# Altium PCB HCMS-39XX.PcbDoc
Units mil, origin at the board's own origin, x right, y up, seen from the top; angles counter-clockwise.
Board outline 3510.17 x 1161.7 mil, 2 copper layers (Top Layer, Bottom Layer); 54 components, 43 nets, 214 pads, 49 vias.
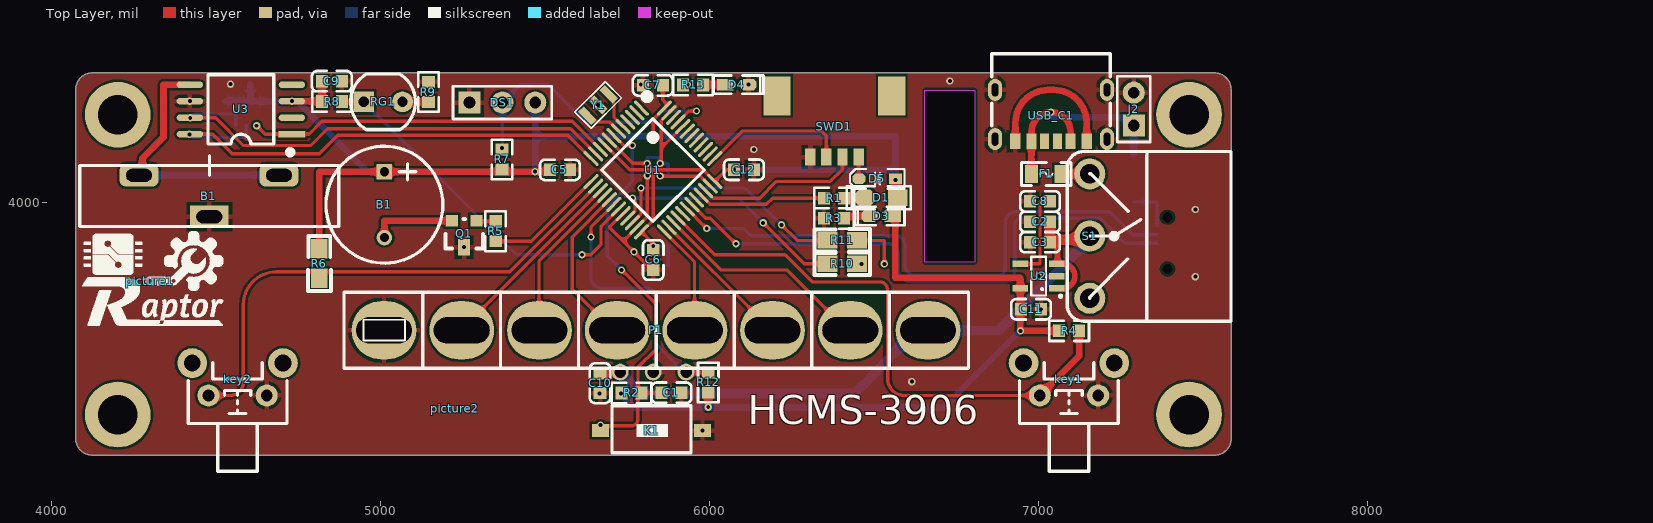
[diagram p0: Top Layer view]
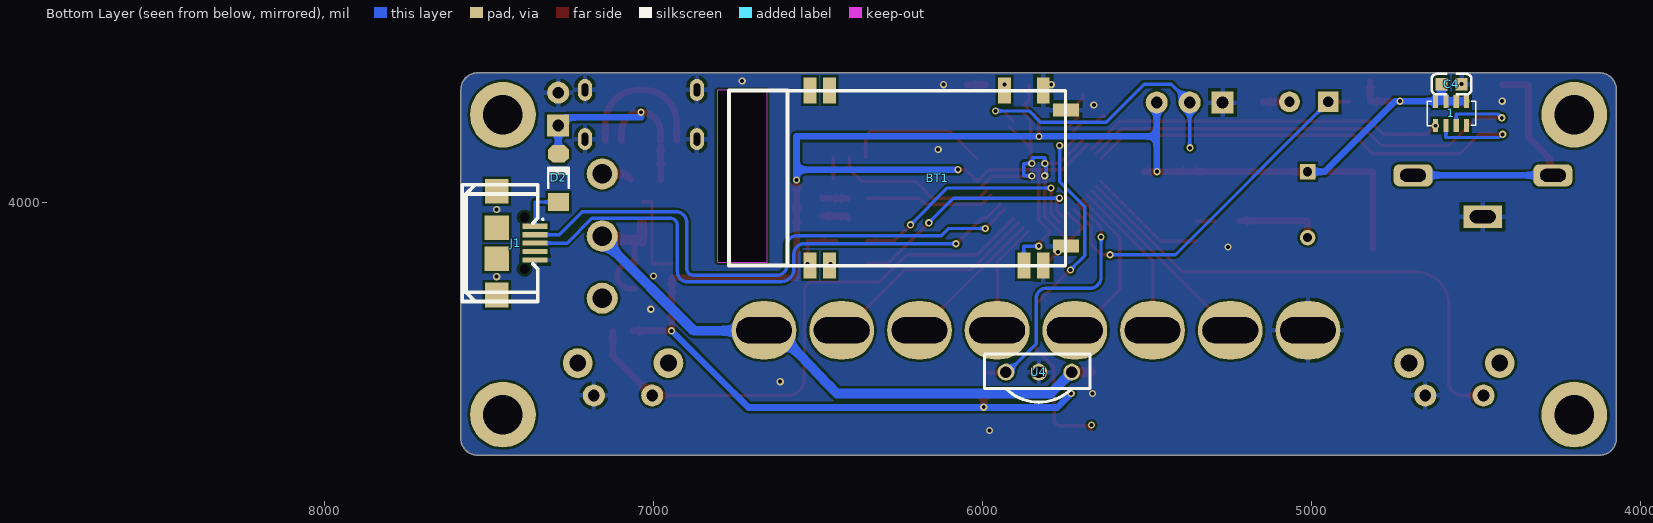
[diagram p1: Bottom Layer view, seen from below]

## Layer stack, top to bottom
Top Solder: solder mask 0.4, Solder Resist, Dk 3.5
Top Layer: signal copper 1.4
Dielectric 1: dielectric 12.6, FR-4, Dk 4.8
Bottom Layer: signal copper 1.4
Bottom Solder: solder mask 0.4, Solder Resist, Dk 3.5

## Board outline
4074.33,3283.5 ccw(c4124.33,3283.5) 4124.33,3233.5 7534.5,3233.5 ccw(c7534.5,3283.5) 7584.5,3283.5 7584.33,3283.5 7584.33,4345.2 ccw(c7534.33,4345.2) 7534.33,4395.2 4124.33,4395.2 ccw(c4124.33,4345.2) 4074.33,4345.2
cut-out: 6654.5,3820 6654.5,4342.43 6805.5,4342.43 6805.5,3820

## Design rules (kind name [scope] priority, off if disabled: settings)
Clearance [All] p1: gap=7 ignorepadtopadclearanceinfootprint=TRUE
PolygonConnect [All] p1: thpad.connectstyle=Relief thpad.reliefconductorwidth=15 thpad.reliefentries=4 thpad.polygonreliefangle="90 Angle" thpad.airgapwidth=10 smdpad.connectstyle=Relief smdpad.reliefconductorwidth=15 smdpad.reliefentries=4 smdpad.polygonreliefangle="90 Angle" smdpad.airgapwidth=10 via.connectstyle=Direct via.reliefconductorwidth=10 via.reliefentries=4 via.polygonreliefangle="90 Angle" via.airgapwidth=10
RoutingVias [All] p1: holewidth=12 width=22 viastyle="Through Hole" minholewidth=12 minwidth=22 maxholewidth=28 maxwidth=50
SolderMaskExpansion [All] p1: expansion=4 istentingtop=FALSE
UnRoutedNet [All] p1: checkbadconnections=TRUE
Width [All] p1: maxlimit=50 minlimit=10 preferedwidth=10 minimp=50.000000 maximp=50.000000 favimp=50.000000
29 further rules are at their usual default settings.

## Components (designator, comment, footprint, x,y, rotation, side; value= is the part's Value field where it differs from the comment)
1 "RES4" 0603RES 4579,4268 r0 bottom
B1 "BAT" Batary-Li 4470.26,4208.27 r270 top locked
B1 "BEEP" BELL-SMALL 5012,3994.5 r0 top locked
BT1 "SPP-C" CC2540/2541 6189.5,4079.5 r90 bottom locked
C1 "105" 0603C 5889,3422.5 r270 top value=104
C2 "Cap" 0603C 6999.5,3943.5 r90 top value=0.1uF
C3 "Cap" 0603C 6999.5,3881.5 r90 top value=22uF
C4 "Cap" 0603C 4570,4360 r270 bottom value=0.1uF
C5 "Cap" 0603C 5550,4099.5 r270 top value=0.1uF
C6 "Cap" 0603C 5828,3822 r180 top value=0.1uF
C7 "Cap" 0603C 5823,4358 r90 top value=22uF
C8 "Cap" 0603C 6999.5,4005.5 r90 top value=2.2uf
C9 "Cap" 0603C 4857,4369 r270 top value=104
C10 "104" 0603C 5666.5,3447.5 r180 top
C11 "" 0603C 6981.5,3676 r270 top value=0.1uF
C12 "104" 0603C 6109,4100 r270 top
D1 "LED" "LED 0805B" 6521.5,4016 r180 top
D2 "Diode 1N914" DO-213AA 7288,4076 r90 bottom
D3 "LED" "LED 0603R" 6521.5,3960.5 r180 top
D4 "LED0" "LED 0603B" 6083,4359 r0 top
D5 "Diode 1N4148" SOD-323 6509.5,4073 r180 top
DS1 "DS18B20" HDR-1X3 5270.5,4305 r0 top
F1 "FUSE" "FU 0805" 7023,4088 r180 top
J1 "USB_MICRO" Micro_USB 7476,3879 r0 bottom locked
J2 "CON2" HDR-1X2 7289,4235 r90 top
K1 "SW-PB" KEY_M 5829,3309.5 r90 top
key1 "KEY" "TSW DIP-6*6*7_V" 7092,3415 r0 top locked
key2 "KEY" "TSW DIP-6*6*7_V" 4566,3415 r0 top locked
P1 "Header 8" connect-8PB 5840.53,3607.2 r0 top locked
picture1 "图标" Raptor 4298.5,3762.5 r0 top
picture2 "图标" LCL_TS 5226.5,3375 r0 top
Q1 "PNP8550" "NPN8050 SOT23R" 5259,3903 r180 top
R1 "510R" 0603R 6379.5,4015.5 r90 top
R2 "10K" 0603R 5764,3423.5 r90 top
R3 "510R" 0603R 6379,3954 r90 top
R4 "1.8k" 0603R 7091.5,3610.5 r270 top
R5 "4.7k" 0603R 5351,3913 r0 top
R6 "1.8k" 0805R 4814.5,3860.81 r270 top
R7 "Res1" 0603R 5368.5,4133 r180 top value=1K
R8 "4.7k" 0603R 4852,4307 r270 top
R9 "10R" 0603R 5147,4336 r0 top
R10 "0R" 0805R 6358,3814.5 r0 top
R11 "0R" 0805R 6358,3886 r0 top
R12 "4.7k" 0603R 5995,3455.5 r180 top
R13 "" 0603R 5950.74,4359.5 r90 top value=1K
RG1 "10K" RG5528 5008,4307 r0 top
S1 "SW-DPDT" "SWitch - duplicate1" 7458,3904 r180 top
SWD1 "SWD" "MOLEX 537800470" 6379.5,4202 r0 top
U1 "STM32F103C8T6" "LQFP48 7X7_L" 5828,4100 r225 top locked
U2 "SPX3819" SOT23-5N 6999.5,3777.5 r90 top
U3 "SD3078" SOP8W_L 4576,4284 r180 top locked
U4 "红外接收HX1838" 红外HX1838 5828.5,3486 r180 bottom
USB_C1 "USB-C_6P" typec 6867.47,4193.8 r180 top
Y1 "XTAL-8M" XTAL_8M 5661.5,4297.5 r45 top

## Footprints (in the part's own frame and the unit in brackets; to place one, negate y for a bottom-side part, rotate by r counter-clockwise, add the part's x,y. Pads: shape width x height; smd on the part's side, far side on the other; paste and mask are expansions set on the pad)
0603C [mm]
  rect 0.98x0.93 smd: 1(-0.022,0.651) 2(-0.022,-0.889)
  silkscreen extent -0.81,-1.65 0.77,1.42, body extent -0.42,-0.92 0.38,0.68, height 0.3
0603R [mm]
  rect 0.98x0.93 smd: 1(-0.025,-0.744) 2(-0.025,0.796)
  silkscreen extent -0.82,-1.51 0.76,1.56, body extent -0.43,-0.82 0.37,0.88, height 0.56
0603RES [mm]
  rect 0.4x1 smd: 1(-1.272,-1.034) 2(-0.472,-1.034) 3(0.328,-1.034) 4(1.128,-1.034) 5(1.128,0.824) 6(0.328,0.824) 7(-0.472,0.824) 8(-1.272,0.824)
  silkscreen extent -1.98,-1.03 1.78,0.85, body extent -1.7,-0.9 1.5,0.7, height 0.59
0805R [mil]
  rect 60x50 smd: 1(0,0) 2(90,0)
  silkscreen extent -39,-34 129,35, body extent -1,-27 89,27, height 30
Batary-Li [mm]
  rrect50% 1.7x3 hole 1 slot 2 at 90 deg: 1(3.157,5.626) 1(3.157,-5.174)
  rect 1.7x3 hole 1 slot 2 at 90 deg: 2(6.357,0.247)
  silkscreen extent 1.65,-9.75 7.11,10.25, body extent 2.8,-9.86 6.61,10.16, height 21.01
BELL-SMALL [mm]
  rect 1.2x1.2 hole 0.7: 1(0.001,2.543)
  round 1.2 hole 0.7: 2(0.001,-2.537)
  silkscreen extent -4.51,-4.51 4.51,4.51, body extent -4.5,-4.47 4.5,4.53, height 4.5
CC2540/2541 [mm]
  rect 2x1 smd: 1(-6.858,8.496) 2(-6.858,6.996) 12(-6.858,-8.004) 13(-6.858,-9.504) 22(6.642,-9.504) 24(6.642,-6.504) 33(6.642,6.996) 34(6.642,8.496)
  rect 1x2 smd: 14(-5.358,-11.254) 21(5.142,-11.254)
  silkscreen extent -6.86,-11.23 6.64,14.75, body extent -6.6,-11.3 6.4,15.7, height 4.31
connect-8PB [mm]
  oval 5x4.5 hole 2 slot 4.3 at 0 deg: 1(-21.072,0.147) 2(-15.075,0.147) 3(-9.077,0.147) 4(-3.08,0.147) 5(2.917,0.147) 6(8.915,0.147) 7(14.912,0.147) 8(20.909,0.147)
  silkscreen extent -24.16,-2.78 24.04,3.09, body extent -44.91,-5.37 44.31,8.19, height 30.18
DO-213AA [mm] "1.5*3.5mm(直径，脚距）"
  rect 1.37x1.62 smd: 1(-1.855,0)
  oct 1.37x1.62 smd: 2(1.855,0)
  silkscreen extent -0.76,-0.8 0.78,0.8, body extent -1.75,-0.75 1.75,0.75, height 1.53
"FU 0805" [mil] "贴片保险丝"
  rect 40x55 smd: 1(-45,0) 2(45,0)
  silkscreen extent -75,-35 75,35, body extent -39,-24 39,24, height 20
HDR-1X2 [mm] "排针，2脚"
  rect 1.7x1.7 hole 0.9: 1(0,0)
  round 1.7 hole 0.9: 2(2.54,0)
  silkscreen extent -1.27,-1.27 3.81,1.27, body extent -1.27,-1.27 3.81,1.27, height 8.5
HDR-1X3 [mm] "排针，3脚"
  rect 1.7x1.7 hole 0.9: 1(0,0)
  round 1.7 hole 0.9: 2(2.54,0) 3(5.08,0)
  silkscreen extent -1.27,-1.27 6.35,1.27, body extent -1.27,-1.27 6.35,1.27, height 8.5
KEY_M [mm]
  rect 1x1.3 smd: 1(-0.029,-3.801) 2(-0.029,4.073)
  silkscreen extent -1.74,-2.92 1.88,3.18, body extent -1.75,-5.05 1.75,5.15, height 4.3
LCL_TS [mil]
"LED 0603B" [mil] "蓝色0603LED"
  rect 50x35 smd: 1(-35,0.26)
  oct 50x35 smd: 2(35,0.26)
  silkscreen extent -71,-28 81,28, body extent -31,-16 32,16, height 24
"LED 0603R" [mil] "红色0603LED"
  rect 50x35 smd: 1(-35,0.26)
  oct 50x35 smd: 2(35,0.26)
  silkscreen extent -71,-28 81,28, body extent -31,-16 32,16, height 24
"LED 0805B" [mil] "蓝色0805LED"
  rect 60x50 smd: 1(-50,0)
  oct 60x50 smd: 2(50,0)
  silkscreen extent -90,-35 105,35, body extent -39,-25 39,25, height 32
"LQFP48 7X7_L" [mm] "48脚，体宽7x7mm，脚距0.5mm"
  oval 0.25x1.55 smd: 1(-2.75,-4) 2(-2.25,-4) 3(-1.75,-4) 4(-1.25,-4) 5(-0.75,-4) 6(-0.25,-4) 7(0.25,-4) 8(0.75,-4) 9(1.25,-4) 10(1.75,-4) 11(2.25,-4) 12(2.75,-4) 25(2.75,4) 26(2.25,4) 27(1.75,4) 28(1.25,4) 29(0.75,4) 30(0.25,4) 31(-0.25,4) 32(-0.75,4) 33(-1.25,4) 34(-1.75,4) 35(-2.25,4) 36(-2.75,4)
  oval 1.55x0.25 smd: 13(4,-2.75) 14(4,-2.25) 15(4,-1.75) 16(4,-1.25) 17(4,-0.75) 18(4,-0.25) 19(4,0.25) 20(4,0.75) 21(4,1.25) 22(4,1.75) 23(4,2.25) 24(4,2.75) 37(-4,2.75) 38(-4,2.25) 39(-4,1.75) 40(-4,1.25) 41(-4,0.75) 42(-4,0.25) 43(-4,-0.25) 44(-4,-0.75) 45(-4,-1.25) 46(-4,-1.75) 47(-4,-2.25) 48(-4,-2.75)
  silkscreen extent -3.93,-4.57 2.79,2.79, body extent -4.5,-4.5 4.5,4.5, height 1.45
Micro_USB [mm]
  rect 1.905x0.4 smd mask+0.001: 1(-2.953,-1.27) 2(-2.953,-0.62) 3(-2.953,0.03) 4(-2.953,0.68) 5(-2.953,1.33)
  rect 1.8x1.9 smd: 6(0,-3.97) 9(0,4.03)
  rect 1.9x1.9 smd: 7(0,-1.17) 8(0,1.23)
  round 0 hole 0.8 unplated mask+0.001: MH1(-2.15,2.03) MH2(-2.15,-1.97)
  silkscreen extent -3.57,-4.48 2.66,4.54, body extent -3.31,-4.07 2.62,4.13, height 2.77
"MOLEX 537800470" [mm]
  rect 2.1x3 smd: 0(-4.425,3.13) 0(4.425,3.13)
  rect 0.8x1.3 smd: 1(-1.875,-1.6) 2(-0.625,-1.6) 3(0.625,-1.6) 4(1.875,-1.6)
  body extent -5.07,-1.93 5.08,4.57, height 1.89
"NPN8050 SOT23R" [mil]
  rect 36x36 smd: 1(-33.09,-42.84) 2(41.91,-42.84)
  rect 36x50 smd: 3(4.91,37.16)
  silkscreen extent -53,-48 62,42, body extent -55,-53 63,45, height 42
Raptor [mil]
  silkscreen extent -204,-135 224,152
RG5528 [mm] "光敏电阻 脚距：3mm"
  rect 1.6x1.6 hole 0.8: 1(-1.5,0)
  round 1.6 hole 0.8: 2(1.5,0)
  silkscreen extent -2.5,-2.16 2.5,2.16, body extent -2.5,-2.15 2.5,2.15, height 1.9
SOD-323 [mm] "1.8x1.3X0.9mm（长宽高，不包括引脚）"
  rect 1x0.8 smd: 1(-1.4,0)
  oct 1x0.8 smd: 2(1.4,0)
  silkscreen extent -2.11,-0.76 2.11,0.76, body extent -1.34,-0.63 1.31,0.67, height 1
SOP8W_L [mil] "5.3*8.3*1.8mm（长宽高）"
  rect 80x19.68 smd: 1(-155,75)
  oval 80x19.68 smd: 2(-155,25) 3(-155,-25) 4(-155,-75) 5(155,-75) 6(155,-25) 7(155,25) 8(155,75)
  silkscreen extent -156,-105 100,136, body extent -155,-104 155,104, height 75
SOT23-5N [mm] "3x1.6x1.1mm(长宽高)"
  rect 0.5x1.2 smd: 1(-0.95,-1.4) 2(0,-1.4) 3(0.95,-1.4) 4(0.95,1.4) 5(-0.95,1.4)
  silkscreen extent -1.63,-1.78 1.5,0.56, body extent -1.5,-1.4 1.5,1.4, height 1.15
"SWitch - duplicate1" [mm]
  round 2.4 hole 1.5: 1(7.691,-4.682) 2(7.691,0.118) 3(7.691,4.918)
  silkscreen extent -3.21,-6.41 9.44,6.69, body extent -7.97,-6.59 8.27,6.82, height 2.73
"TSW DIP-6*6*7_V" [mm] "侧按轻触开关 6*6*7mm"
  round 2.3 hole 1.3: 0(-3.5,2.5) 0(3.5,2.5)
  round 1.7 hole 0.9: 1(-2.25,0) 2(2.25,0)
  silkscreen extent -3.81,-5.84 3.81,2.54, body extent -4.18,-5.72 4.18,4.13, height 7.47
typec [mm]
  oval 1.1x1.7 hole 0.5 slot 1 at 90 deg: 0(-8.64,-3.8) 0(-8.64,0) 0(0,0) 0(0,-3.8)
  rect 0.8x1.2 smd: 1(-7.07,0.16) 6(-1.57,0.16)
  rect 0.76x1.2 smd: 2(-5.83,0.16) 5(-2.81,0.16)
  rect 0.7x1.2 smd: 3(-4.82,0.16) 4(-3.82,0.16)
  silkscreen extent -8.89,-6.59 0.25,-1.01, body extent -8.79,-6.4 0.15,0.4, height 3.22
XTAL_8M [mm]
  rect 0.6x1.45 smd: 1(-1.168,0) 2(1.168,0) 3(0,0)
  silkscreen extent -1.65,-0.89 1.65,0.89, body extent -1.61,-0.76 1.59,0.76, height 0.7
红外HX1838 [mm]
  round 1.3 hole 0.889: 1(-2.54,0) 2(0,0) 3(2.54,0)
  silkscreen extent -4.19,-2.32 3.94,1.4, body extent -3.64,-3.54 3.61,1.26, height 8.88

## Part data
BT1: "sppc"
C1 C12: library part Cap, "Capacitor", LatestRevisionDate=17-Jul-2002, LatestRevisionNote="Re-released for DXP Platform.", Published=8-Jun-2000, Publisher="Altium Limited"
C2 C3 C4 C5 C6 C7: "Capacitor", LatestRevisionDate=17-Jul-2002, LatestRevisionNote="Re-released for DXP Platform.", PackageReference=RAD-0.3, Published=8-Jun-2000, Publisher="Altium Limited"
C8 C9: "Polarized Capacitor (Radial)", Published=8-Jun-2000, Publisher="Altium Limited", Revision="July-2002: Re-released for DXP Platform."
C10: library part 0603C
C11: library part C
D2 D5: "High Conductance Fast Diode", Code_JEDEC=DO-204-AH, ComponentLink1Description="Manufacturer Link", ComponentLink1URL=http://www.fairchildsemi.com/, ComponentLink2Description=Datasheet, DatasheetVersion=1997, LatestRevisionDate=17-Jul-2002, LatestRevisionNote="Re-released for DXP Platform.", PackageDescription="Diode, Axial; Body 3.8 x 1.9 mm (LxDia. max), Lead Dia. 0.53 mm (max)", PackageReference=DO-35, Published=8-Jun-2000, Publisher="Altium Limited"
  D2: ComponentLink2URL=http://www.fairchildsemi.com/ds/1N%2F1N4448.pdf
  D5: ComponentLink2URL=http://www.fairchildsemi.com/ds/1N%2F1N4148.pdf
D4: "Typical INFRARED GaAs LED", LatestRevisionDate=08-Jul-2005, LatestRevisionNote="Mech Layer 1 removed.", PackageReference=LED-0, Published=8-Jun-2000, Publisher="Altium Limited"
DS1: "温度传感器"
J2: "Connector"
P1: "Header, 8-Pin", LatestRevisionDate=17-Jul-2002, LatestRevisionNote="Re-released for DXP Platform.", Publisher="Altium Limited"
picture1 picture2: library part SP
R1 R2 R3 R10 R11: library part Res2, "Resistor", LatestRevisionDate=17-Jul-2002, LatestRevisionNote="Re-released for DXP Platform.", Published=8-Jun-2000, Publisher="Altium Limited"
R4 R5 R6 R8 R9 R12: library part 0603r
R7: "贴片电阻", LatestRevisionDate=17-Jul-2002, LatestRevisionNote="Re-released for DXP Platform.", PackageReference=AXIAL-0.4, Published=8-Jun-2000, Publisher="Altium Limited"
R13: library part R_1
RG1: library part RG5528, "光敏电阻", BOM名称=光敏电阻, 学习资源=www.ooocke.com, 版权归属=源创客
S1: "Double-Pole, Double-Throw Switch", LatestRevisionDate=17-Jul-2002, LatestRevisionNote="Re-released for DXP Platform.", PackageDescription="Switch; 6 Leads", PackageReference=DPDT-6, Published=24-Mar-1999, Publisher="Altium Limited"
U1: "STM32 ARM-based 32-bit MCU with 64 Kbytes Flash, 48-pin LQFP, Industrial Temperature"
U2: library part RT9193-33, "3.3V超低压差LDO"
USB_C1: "贴片Type_C接口"

## Free pads (board coordinates)
  round 200 hole 120: 2(4202,3357) 2(4202,4268) 2(7457,3357) 2(7457,4268)

## Via types
v1: diameter 22, hole 12, Top Layer to Bottom Layer, tented both sides, 49 vias

## Nets (pads, with @x,y where several pads share a name; then routed paths per layer and width w, separated by ;. In a path a pad name is that pad's centre, name@x,y a point inside that pad or via, vN(x,y) a via of type N, cw(c..) or ccw(c..) an arc to the next point about the centre after c; other vN are vias at no path point)
3.3V: 1.1 1.2 1.3 1.4 B1.1@5012.03,4094.61 BT1.12 C4.2 C5.2 C6.2 C7.2 C9.2 C11.2 C12.2 D1.1 D3.1 D5.1 DS1.3 R2.2 R4.1 R6.1 R7.2 R8.1 R12.2 U1.9 U1.24 U1.36 U1.48 U2.5 U3.3 | length 6982.2
  Top Layer w10: U1.9 5757.54,4100.87 5828.87,4100.87 ; v1(5828.87,3868.56) 5828.87,3876.45 U1.24 5828.87,3947.75 5828.87,4100.87 ; v1@5828.87,4202 5828.87,4253.98 U1.48@5844.75,4269.86 ; C7.2 5858,4312.69 5872.73,4297.96 5872.73,4297.85 U1.48 ; v1(6074,4100.87) 6051.55,4100.87 U1.36 5980.25,4100.87 5828.87,4100.87
  Top Layer w20: v1(4731,4309) 4821.69,4309 4822,4308.69 C9.2 ; R6.1 4814.5,3897.08 4814.5,4094.61 5012.03,4094.61 5509.24,4094.61 5509.63,4095 v1(5469.5,4095) ; v1(5996,3379.5) R12.2 ; D5.1 6564.62,3772.5 6944.38,3772.5 U2.5 v1(6944.38,3611.5) R4.1
  Bottom Layer w10: v1(5469.5,4095) 5469.5,4100.5 v1@5470.5,4101.5 ; v1(5828.87,3868.56) 5874.37,3868.56 BT1.12
  Bottom Layer w20: 1.1 4529.22,4309 4601,4309 ; C4.2 4605,4313 4601,4309 ; B1.1@5012.03,4094.61 4960.57,4094.61 4746.18,4309 v1(4731,4309) 4601,4309 ; v1@5469.5,4100.5 5469.5,4101.04 5470.5,4102.04 5470.5,4202 ; DS1.3 5470.5,4202 ; v1(5730.5,3421) 5773,3378.5 6710.88,3378.5 6805.5,3473.12 6944.13,3611.75 v1@6944.38,3612 ; v1(6074,4100.87) 6565,4100.87 ; v1(6565,4069.5) 6565,4100.87 ; 5470.5,4202 v1(5828,4202) 6565,4202 6565,4100.87
8M: U1.5 Y1.2 | length 115.8
  Top Layer w10: Y1.2 5694.03,4320.39 5709.7,4304.73 5709.7,4260.06 U1.5
BEEP: R5.1 U1.13 | length 365.3
  Top Layer w10: R5.1 5458.58,3883.69 U1.13
DS18B20: DS1.2 R7.1 U1.45 | length 881.3
  Top Layer w10: U1.45 5937.9,4279.5 v1(5960,4279.5)
  Bottom Layer w10: v1@5370.5,4167.5 DS1.2 5426.37,4360.87 5508.6,4360.87 5623.97,4245.5 5824.5,4245.5 5858.5,4279.5 v1(5960,4279.5)
  other v1: 5369.5,4167.5
DS_SCL: 1.5 U1.10 U3.1 | length 1106
  Top Layer w10: v1(4624,4234.5) 4649.5,4209 U3.1 4783,4209 4822,4248 5582.56,4248 U1.10
DS_SDA: 1.6 U1.12 U3.8 | length 1509.2
  Top Layer w10: U3.8 4490,4209 4549.5,4149.5 4814,4149.5 4870,4205.5 5569.39,4205.5 U1.12
  Bottom Layer w10: v1(4419.5,4208.5) 4429,4199 4591.93,4199 1.6
GND: B1.2@4480,3958 BT1.13 BT1.14 BT1.21 BT1.22 C1.1 C2.1 C3.1 C4.1 C5.1 C6.1 C7.1 C8.1 C9.1 C10.1 C11.1 C12.1 D4.2 DS1.1 J1.5 J2.2 K1.1 key1.2 key2.2 P1.1 Q1.3 R3.2 R9.2 SWD1.1 U1.8 U1.20 U1.23 U1.35 U1.44 U1.47 U2.2 U3.6 U4.2 USB_C1.0 USB_C1.1 USB_C1.6 Y1.3 | length 1686.2
  Top Layer w10: U1.8 5766.13,4120.11 v1@5810.87,4120.11 ; U1.20 5695.78,3926.02 5737.53,3884.26 ; v1(5810.87,4082.5) 5810.87,3957.59 U1.23 5737.53,3884.26 ; C6.1 5815.56,3809.68 5812.12,3809.68 5737.53,3884.26 ; v1@5850,4081.21 5972.06,4081.21 U1.35 ; v1(5850,4120) 5853.13,4123.13 5853.13,4166.89 ; U1.47 5853.13,4250.41 5853.13,4166.89 ; U1.44 5853.13,4166.89
  Top Layer w20: USB_C1.6 6929.28,4243.4 cw(c7029.28,4243.4) 7029.28,4343.4 7045.82,4343.4 cw(c7045.82,4243.4) 7145.82,4243.4 USB_C1.1
  Bottom Layer w10: v1(5810.87,4082.5) 5808.99,4082.5 5805.87,4085.63 5805.87,4114.87 v1(5810.5,4119.5) 5810.5,4138 5847.7,4138 5847.7,4122.3 v1(5850,4120) 5874.37,4120 5874.37,4082.5 5850.5,4082.5 v1(5850,4082)
  other v1: 5978.63,3308.35 5666,3421 6614.5,3457 7007.5,3677 7476,3775.89 6999.5,3778 5770.29,3851.5 5254.09,3865.84 7476,3979.75 6134.63,4162.63 5661.5,4297.5 4421,4309 5791,4359.26 6118,4359.26 4544.37,4360.87 6730,4370.08
HCMS_BLK: P1.6 U1.26 | length 427.6
  Top Layer w10: U1.26 6151.73,3651 P1.6@6190.34,3651
HCMS_CE: P1.7 U1.27 | length 655.5
  Top Layer w10: U1.27 6034.19,3796.37 6235.13,3796.37 6380.5,3651 P1.7@6426.46,3651
HCMS_CEC: P1.2 U1.15 | length 582.1
  Top Layer w10: P1.2@5245.89,3651 5281.56,3651 U1.15
HCMS_CLK: P1.5 U1.25 | length 337
  Top Layer w10: U1.25 5954.23,3820.66 P1.5@5954.23,3613
HCMS_DIN: P1.3 U1.16 | length 493.2
  Top Layer w10: P1.3@5482,3613 5482,3823.6 U1.16
HCMS_RS: P1.4 U1.17 | length 507
  Top Layer w10: U1.17 5582.5,3896.26 5582.5,3738.02 5707.52,3613 P1.4
HX_OUT: R12.1 U1.18 U4.1 | length 801.9
  Top Layer w10: v1(5639.5,3896.5) 5639.5,3925.42 U1.18 ; U4.1@5920.92,3493.58 U4.1 5929.69,3484.81 R12.1
  Bottom Layer w10: v1(5639.5,3896.5) 5639.5,3774.62 ccw(c5673.62,3774.62) 5673.62,3740.5 5807.48,3740.5 cw(c5807.48,3711.48) 5836.5,3711.48 5836.5,3572.5 U4.1@5908,3501
KEY1: key1.1 R4.2 U1.28 | length 1738.1
  Top Layer w10: U1.28 6015.9,3842.5 6229.5,3842.5 6312,3760 6518,3760 cw(c6518,3737.5) 6540.5,3737.5 6540.5,3515 ccw(c6640.5,3515) 6540.99,3505.06 6540.99,3466.04 ccw(c6592.04,3466.04) 6592.04,3415 key1.1
  Top Layer w20: key1.1 7122.82,3534.4 R4.2
KEY2: key2.1 R6.2 U1.14 | length 1599.9
  Top Layer w10: key2.1 4543.24,3415 ccw(c4543.24,3455.26) 4583.5,3455.26 4583.5,3690.5 cw(c4683.5,3690.5) 4683.5,3790.5 4723.5,3790.5 5393.23,3790.5 U1.14
LED: R1.2 U1.33 | length 393.4
  Top Layer w10: U1.33 6001.98,3995.62 6172.62,3995.62 6191.5,4014.5 R1.2
NetB1_1: B1.1@4266.56,4083.97 B1.1@4691.76,4083.97 U3.5 | length 811.1
  Top Layer w20: B1.1@4266.56,4083.97 4276.72,4094.13 4276.72,4135.72 4341,4200 4341,4359 U3.5
  Bottom Layer w20: B1.1@4266.56,4083.97 B1.1@4691.76,4083.97
NetB1_2: B1.2@5012.03,3894.61 Q1.2 | length 256.3
  Top Layer w20: B1.2@5012.03,3894.61 5012.03,3945.84 Q1.2
NetBT1_24: BT1.24 R13.2
  other v1: 5932.38,4359.5
NetC8_2: C8.2 U2.4 | length 279.9
  Top Layer w10: U2.4 7004.18,3814.9 7004.18,4003.65 7034.5,4003.65 C8.2
NetD1_2: D1.2 R1.1 | length 78.2
  Top Layer w20: R1.1 6485.25,4014.5 D1.2@6486.5,4015.74
NetD2_1: D2.1 J1.1 | length 145.7
  Bottom Layer w10: D2.1 7359.76,4002.97 J1.1
NetD3_2: D3.2 R3.1 | length 81.2
  Top Layer w20: R3.1 6415.55,3960.24 D3.2
NetD4_1: D4.1 R13.1 | length 57.6
  Top Layer w20: R13.1@5990.5,4359.5 5990.62,4359.38 6047.88,4359.38 D4.1
NetD5_2: D5.2 SWD1.4 | length 66.4
  Top Layer w10: SWD1.4 6453.32,4074.06 D5.2
NetF1_1: F1.1 S1.1 | length 102
  Top Layer w20: F1.1@7068,4071 7084.5,4087.5 7136.03,4087.5 S1.1@7155.22,4068.31
NetQ1_1: Q1.1 R5.2 | length 58.5
  Top Layer w10: Q1.1 5293.62,3944.32 R5.2
NetR9_1: R9.1 RG1.2 | length 79.1
  Top Layer w20: RG1.2 5067.37,4306.69 R9.1
NetR10_1: R10.1 U1.21 | length 741.2
  Top Layer w10: U1.21 5773.55,3975.95 5773.55,4007.08 v1(5766.13,4014.5) ; v1@6163.25,3939.75 6288,3815 R10.1@6352,3815
  Bottom Layer w10: v1(5766.13,4014.5) 6088,4014.5 v1(6163,3939.5)
NetR11_1: R11.1 U1.22 | length 740.7
  Top Layer w10: U1.22 5791.55,3966.12 v1@5791.55,4043.24 ; v1(6218.5,3933.5) 6266,3886 R11.1@6352,3886
  Bottom Layer w10: v1@5791.55,4045.57 6106.43,4045.57 v1(6218.5,3933.5)
  other v1: 5791.45,4045.57
NetU1_6: U1.6 Y1.1 | length 114
  Top Layer w10: Y1.1 5635.19,4264.97 5654.02,4246.14 5695.78,4246.14 U1.6
NRST: C1.2 K1.2 R2.1 U1.7 | length 1217.3
  Top Layer w10: K1.2 5683.31,3323.04 5763.89,3323.04 ccw(c5763.89,3341.15) 5782,3341.15 5782,3410.2 5793.31,3421.51 R2.1 ; U1.7 5739.58,4174.5 v1(5765.37,4174.5) ; v1(5732.68,3796.37) 5837.5,3691.55 5837.5,3555.5 5782.5,3500.5 5782.5,3433.31 R2.1 ; C1.2 5853.13,3422.5 R2.1
  Bottom Layer w10: v1(5732.68,3796.37) 5689,3840.05 5689,3988.21 5765.37,4064.59 v1(5765.37,4174.5)
  other v1: 5669,3325
RG_ADC: R8.2 RG1.1 U1.19 | length 1123
  Top Layer w10: R8.2 4884.32,4307 RG1.1 ; v1(5612.5,3842.5) 5639.52,3842.5 5669.87,3872.85 5669.87,3927.95 U1.19
  Bottom Layer w10: RG1.1 5413.44,3842.5 v1(5612.5,3842.5)
SQW: 1.7 U1.11 U3.7 | length 1497.7
  Top Layer w10: U3.7 4499,4259 4583.5,4174.5 4788.69,4174.5 4839.19,4225 5577.73,4225 U1.11
  Bottom Layer w10: v1@4422.5,4258.5 4434,4270 4560.43,4270 1.7
  other v1: 4422.24,4258.52
SWCLK: SWD1.2 U1.37 | length 444.7
  Top Layer w10: U1.37 6099.42,4218.3 6340.97,4218.3 6354.89,4204.38 SWD1.2
SWDIO: SWD1.3 U1.34 | length 498.4
  Top Layer w10: U1.34 6010.94,4014.5 6152.62,4014.5 6203.34,4065.21 6366.71,4065.21 6404.11,4102.61 SWD1.3
U3_RX: BT1.1 R11.2 | length 204
  Top Layer w10: R11.2@6442,3886 6531,3886 ; 6487,3886 6531,3886 ; v1(6531,3815) 6531,3886
U3_TX: BT1.2 R10.2
  other v1: 6462,3814.5
UART1_RX: J1.3 U1.31 | length 1750.2
  Top Layer w10: U1.31 5988.06,3953.86 6002.14,3953.86 v1(6080,3876)
  Bottom Layer w10: v1(6080,3876) 6541.5,3876 cw(c6541.5,3844.51) 6572.99,3844.51 6572.99,3799.77 ccw(c6612.26,3799.77) 6612.26,3760.5 6896.25,3760.5 ccw(c6896.25,3791.13) 6926.88,3791.13 6926.88,3932.18 cw(c6948.19,3932.18) 6948.19,3953.5 7186.5,3953.5 7262.18,3877.82 J1.3
UART1_TX: J1.2 U1.30 | length 1758.3
  Top Layer w10: U1.30 5985.77,3928.31 5985.77,3922.41 5985.86,3922.5 v1(5991.5,3922.5)
  Bottom Layer w10: v1(5991.5,3922.5) 6102.2,3922.5 6124.7,3900 6564.71,3900 cw(c6564.71,3870.69) 6594.02,3870.69 6594.02,3810.34 ccw(c6623.86,3810.34) 6623.86,3780.5 6879.01,3780.5 ccw(c6879.01,3799.8) 6898.31,3799.8 6898.31,3940.08 cw(c6931.79,3940.08) 6931.79,3973.56 7215.5,3973.56 7285.65,3903.41 J1.2
VC5: C2.2 C3.2 C10.2 P1.8 S1.2 U2.1 U2.3 U4.3 | length 2131.6
  Top Layer w17: U2.1 7072.6,3740.1 ccw(c7072.6,3777.5) 7110,3777.5 ccw(c7072.6,3777.5) 7072.6,3814.9 U2.3 ccw(c7054.62,3817.52) 7057.24,3817.52 7057.24,3879.34
  Top Layer w30: C10.2@5668.87,3487 5669.87,3486 U4.3 ; C2.2 C3.2 7041.7,3887.84 7146.72,3887.84 S1.2@7155.22,3879.34
  Bottom Layer w30: U4.3 5793.5,3421 6441.46,3421 6467.96,3447.5 6644.14,3631.73 6662.85,3612.16 6663.49,3611.5 6877,3611.5 7144.84,3879.34 S1.2@7155.22,3879.34
VC_IN: D2.2 F1.2 J2.1 USB_C1.2 USB_C1.5 | length 697.2
  Top Layer w20: F1.2@6978,4071 USB_C1.5@6978,4171.9 ; USB_C1.5@6978,4187.4 USB_C1.5 6978.1,4216.1 cw(c7037.5,4216.1) v1(7037.5,4275.5) cw(c7037.5,4216) 7097,4216 USB_C1.2
  Bottom Layer w20: 7037.5,4260 7264,4260 cw(c7264,4235) J2.1 7289,4150.03 cw(c7288,4150.03) D2.2
pads on no net: 1.8 BT1.33 BT1.34 J1.4 J1.6 J1.7 J1.8 J1.9 J1.MH1 J1.MH2 key1.0 key2.0 S1.3 SWD1.0 U1.1 U1.2 U1.3 U1.4 U1.29 U1.32 U1.38 U1.39 U1.40 U1.41 U1.42 U1.43 U1.46 U3.2 U3.4 USB_C1.3 USB_C1.4

## Polygon pours and split planes (outlines as drawn)
GND on Top Layer "GND_L01_P001" (solid, remove dead copper, pour order 1): 4124.99,4394.86 ccw(c4124.99,4344.73) 4074.86,4344.73 4074.86,3283.7 ccw(c4125.19,3283.7) 4125.19,3233.36 7535.19,3233.36 ccw(c7535.19,3284.03) 7585.86,3284.03 7585.86,4344.36 ccw(c7535.36,4344.36) 7535.36,4394.86
no net on Top Layer "NONET_L01_P000" (solid, pour order 0): 4136.5,4394
GND on Bottom Layer "GND_L02_P002" (solid, remove dead copper, pour order 2): 4124.27,4396.48 ccw(c4124.27,4346.35) 4074.13,4346.35 4074.13,3285.31 ccw(c4124.47,3285.31) 4124.47,3234.98 7534.47,3234.98 ccw(c7534.47,3285.65) 7585.13,3285.65 7585.13,4345.98 ccw(c7534.63,4345.98) 7534.63,4396.48

## Other copper
Bottom Layer:
  region: 8755,3206
  region: 8755,3206

## Silkscreen, mask and mechanical layers (free items; w line width, h text height)
Top Overlay:
  text "HCMS-3906" at 6115.5,3298 h150
Mechanical 1:
  lines w10: 7584.33,3283.5 7584.33,4345.2 ccw(c7534.33,4345.2) 7534.33,4395.2 4124.33,4395.2 ccw(c4124.33,4345.2) 4074.33,4345.2 4074.33,3295.17 4074.33,3283.5 ccw(c4124.33,3283.5) 4124.33,3233.5 7534,3233.5 7534.5,3233.5 ccw(c7534.5,3283.5) 7584.5,3283.5 ; 6654.5,3820 6654.5,4342.43 6805.5,4342.43 6805.5,3820 6654.5,3820